# Altium PCB Lay-51943_B.brd.PcbDoc (part 6 of 8) (continued)
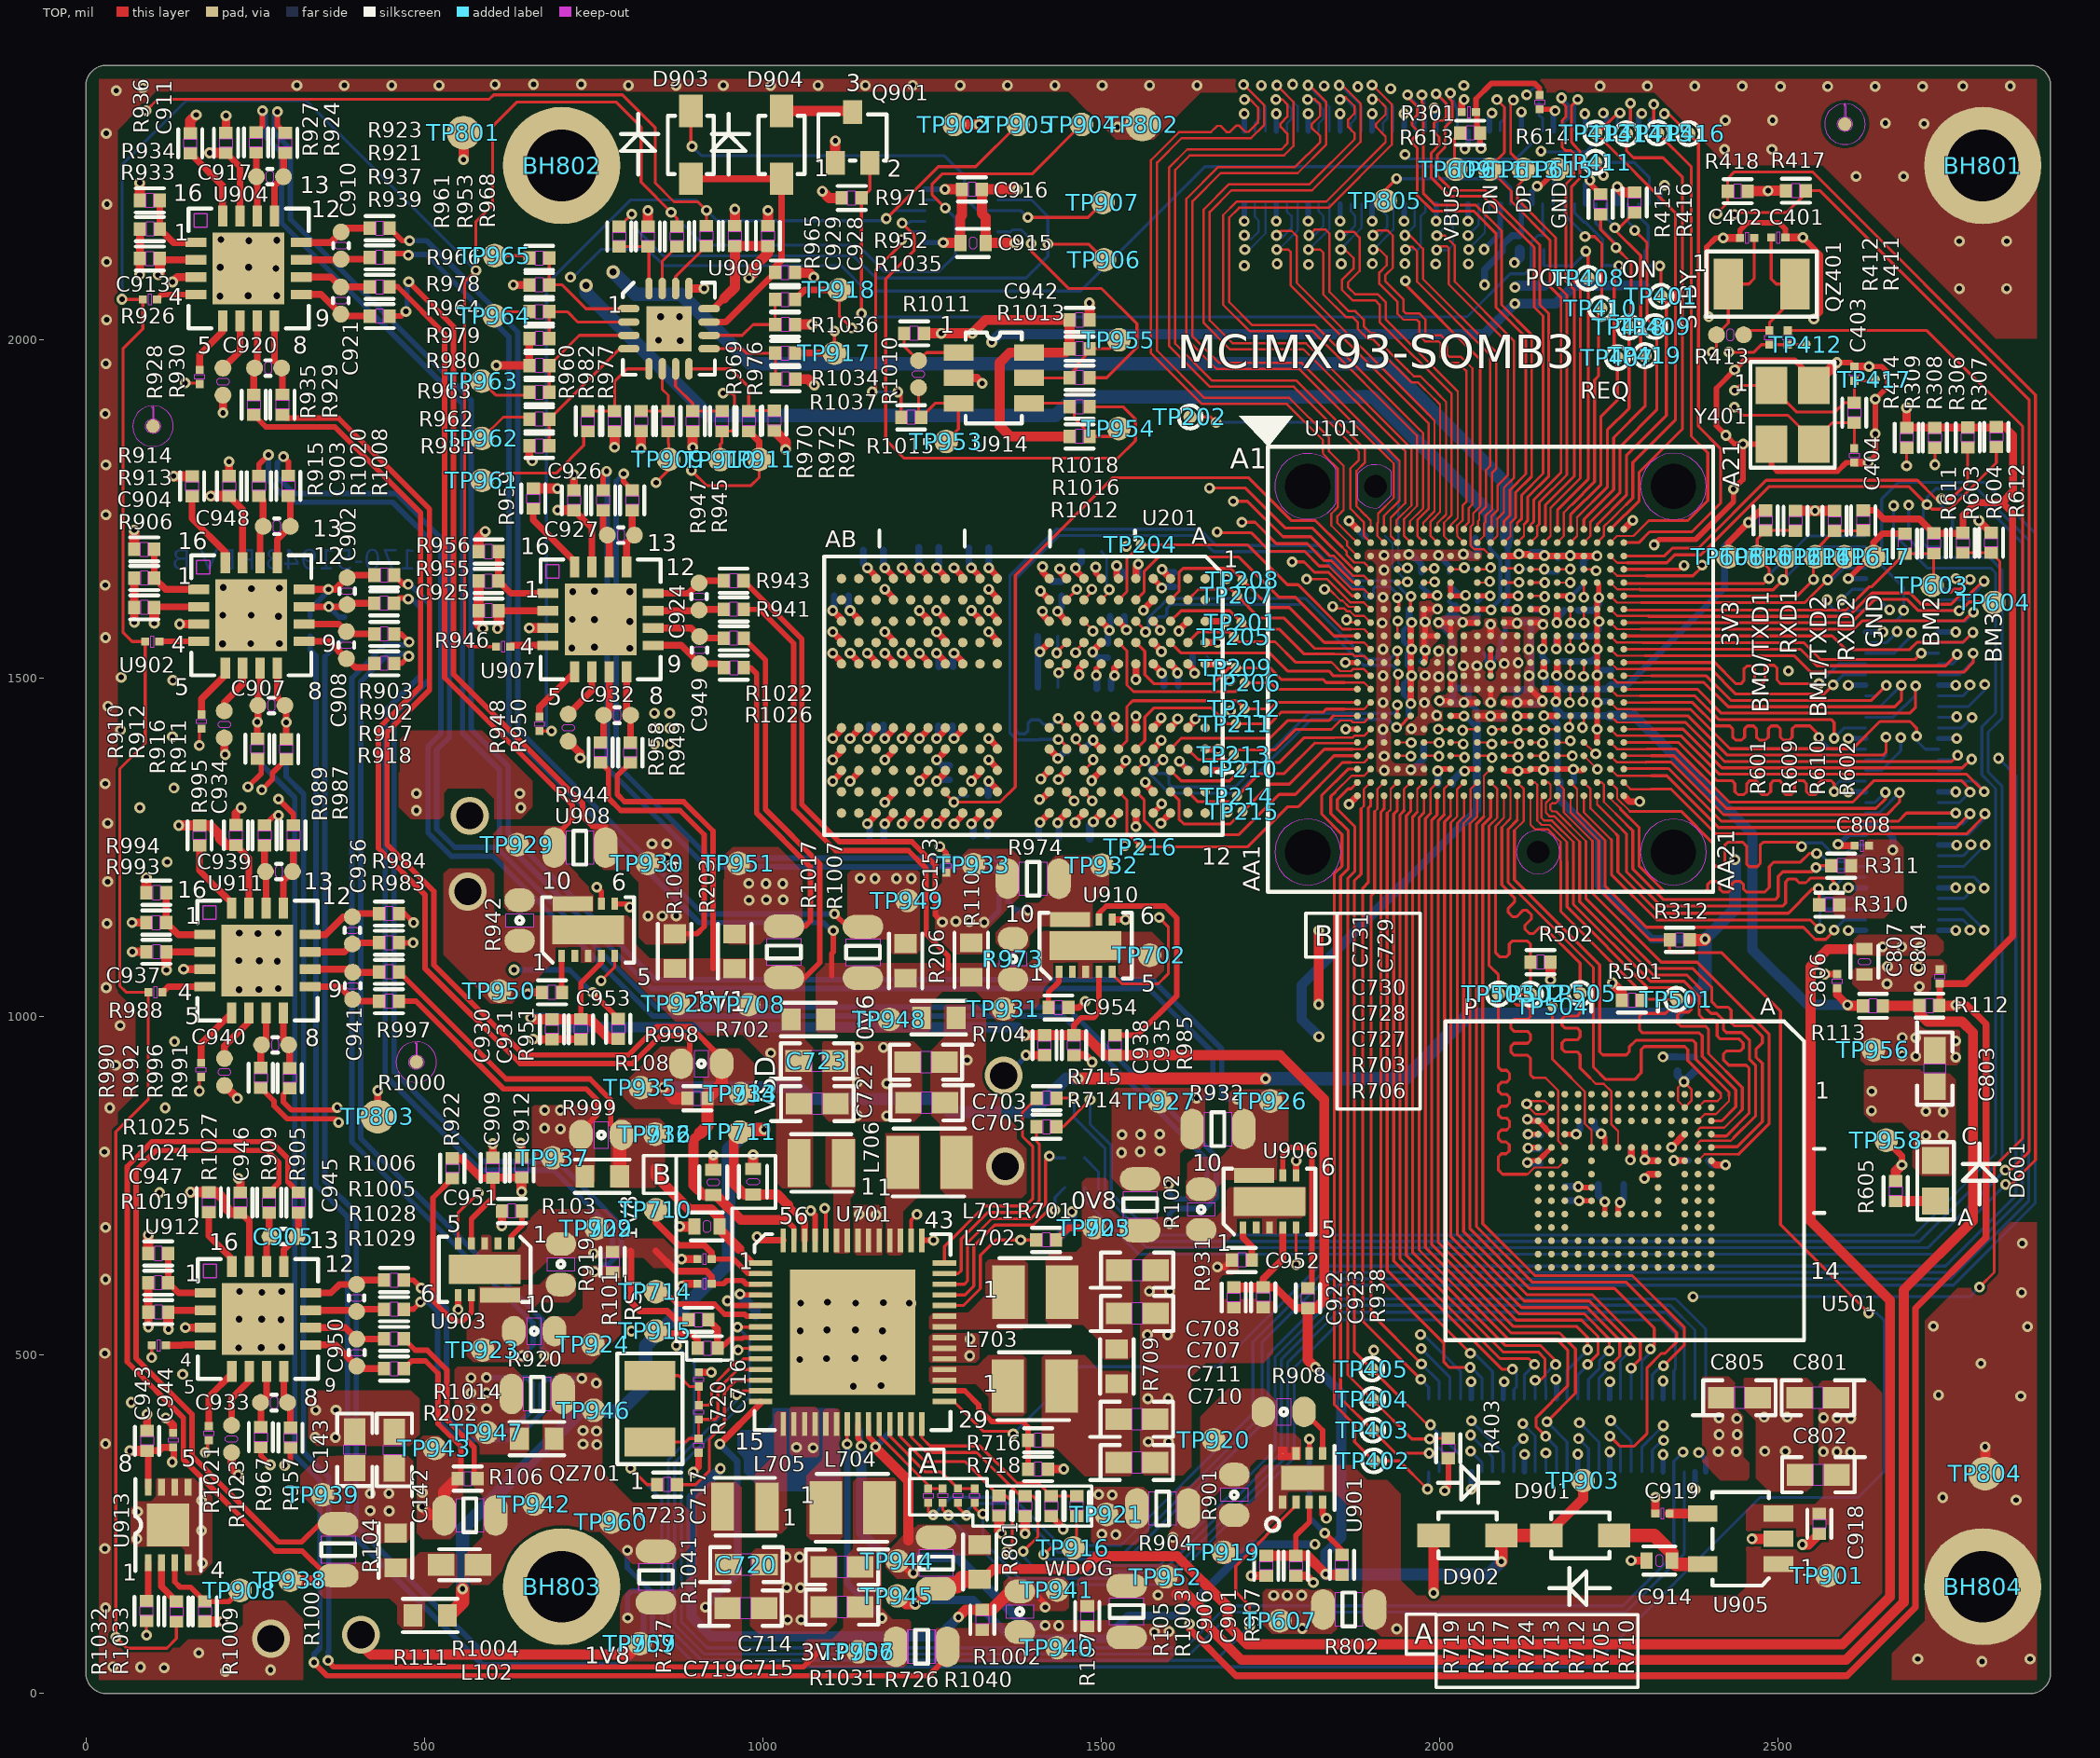
[diagram p0: TOP view]
## Nets (pads, with @x,y where several pads share a name; then routed paths per layer and width w, separated by ;. In a path a pad name is that pad's centre, name@x,y a point inside that pad or via, vN(x,y) a via of type N, cw(c..) or ccw(c..) an arc to the next point about the centre after c; other vN are vias at no path point) (continued)
  L3_INT_1 w3.6: v1(2115.15,1424.42) 2115.15,1424.22 2130.69,1408.68 2130.69,1338.95 2321.73,1147.91 2769.28,1147.91 2784.05,1133.14 v1(2784.05,1128.06)
  BOTTOM w4.4: J803.74@2737.55,1143.48 2773.82,1143.48 2784.05,1133.25 v1(2784.05,1128.06)
SYS_NRST: J802.77 R706.1 TP915.1 | length 3800.2
  TOP w4.4: v1(806.23,535.65) TP915.1@841.99,535.65
  TOP w10: TP915.1@841.99,535.65 845.39,532.25 893.9,532.25 903.9,522.25 R706.1@903.9,510.25
  L3_INT_1 w3.6: v1(715.99,2092.8) 715.99,2098.12 712.39,2101.72 599.67,2101.72 569.27,2071.32 569.27,1460.36 661.56,1368.07 661.56,1181.83 562.51,1082.78 562.51,712.2 739.06,535.65 v1(806.23,535.65)
  BOTTOM w4.4: v1(715.99,2092.8) 720.1,2092.8 761.1,2133.8 830.21,2133.8 853.99,2110.02 1115.69,2110.02 1153.27,2072.44 1469.85,2072.44 1653.75,2256.34 2154.04,2256.34 2160.14,2262.44 2288.12,2262.44 2310.18,2240.38 J802.77@2310.18,2201.2
TAMPER0: J802.61 TP410.1 U101.B16 | length 559.3
  TOP w3.2: U101.B16@2174.15,1700.65 2184,1710.5 2184,1745.08 2195.45,1756.53
  TOP w4.4: 2195.45,1756.53 2229.38,1790.46 2229.38,1941.05 2235.24,1946.91 2235.24,2043.56 TP410.1@2238.4,2046.72 2240.11,2048.43 2240.11,2142.28 2229.32,2153.07 v3(2215.24,2153.07)
  BOTTOM w4.4: J802.61@2184.19,2201.2 2184.19,2185.89 2215.24,2154.84 v3(2215.24,2153.07)
TAMPER1: J802.59 TP411.1 U101.F14 | length 823.8
  TOP w3.6: U101.F14@2134.78,1621.91 2154.71,1621.91 v1(2155.73,1620.89)
  TOP w4.4: TP411.1@2230.63,2262.7 2242.53,2250.8 v1(2242.53,2243.31)
  L3_INT_1 w3.6: v1(2155.73,1620.89) 2156.75,1621.91 2158.72,1621.91 2178.18,1641.37 2178.18,2143.53 2242.53,2207.88 v1(2242.53,2243.31)
  BOTTOM w4.4: J802.59@2168.45,2201.2 2168.45,2233.94 2187.39,2252.88 2232.96,2252.88 v1(2242.53,2243.31)
TEMP_NINT: R1009.2 TP908.1 U913.3 | length 143.7
  TOP w8: U913.3@131.33,193.51 131.33,165.12 139.14,157.31 154.86,157.31 R1009.2@175.91,136.26 176.21,135.96 211.3,135.96 TP908.1@227.74,152.4
UART1_RXD: J803.3 TP612.1 U101.E20 | length 443.7
  TOP w3.2: U101.E20@2252.89,1641.59 2262.82,1631.66 2296.08,1631.66
  TOP w4.4: 2296.08,1631.66 2296.91,1630.83 2493.06,1630.83 v1(2508.02,1645.79) 2512.61,1650.38 TP612.1@2512.61,1679.71
  BOTTOM w4.4: v1(2508.02,1645.79) 2556.89,1694.66 J803.3@2629.85,1694.66
UART1_TXD: J803.1 R601.2 R609.1 TP610.1 U101.E21 | length 517.7
  TOP w4.4: U101.E21@2272.57,1641.59 2273.93,1640.23 2479.7,1640.23 v1(2487.1,1647.63) 2487.1,1662.22 TP610.1@2469.61,1679.71 2469.61,1705.88 R601.2@2482.26,1718.53 2526.08,1718.53 R609.1@2526.37,1718.24
  BOTTOM w4.4: v1(2487.1,1647.63) 2487.1,1653.05 2544.46,1710.41 J803.1@2629.85,1710.41
UART2_RXD: J803.7 TP616.1 U101.F20 | length 446.4
  TOP w3.2: U101.F20@2252.89,1621.91 2262.77,1612.03 2298.29,1612.03
  TOP w4.4: 2298.29,1612.03 2540.11,1612.03 v1(2573.87,1645.79) 2598.61,1670.53 TP616.1@2598.61,1679.71
  BOTTOM w4.4: v1(2573.87,1645.79) 2580.77,1645.79 2598.14,1663.16 J803.7@2629.85,1663.16
UART2_TXD: J803.5 R602.2 R610.1 TP614.1 U101.F21 | length 517.6
  TOP w4.4: U101.F21@2272.57,1621.91 2273.05,1621.43 2528.01,1621.43 v1(2552.87,1646.29) 2552.87,1676.97 TP614.1@2555.61,1679.71 2555.61,1689.63 R610.1@2584.13,1718.15 2625.77,1718.15 R602.2@2626.38,1718.76
  BOTTOM w4.4: v1(2552.87,1646.29) 2552.87,1661.67 2570.11,1678.91 J803.5@2629.85,1678.91
USB1_DN: J802.50 TP611.1 U101.A14 | length 765
  TOP w4: v3(2085.06,2355.2) 2096.17,2344.09 2096.17,2277 2074.2,2255.03 TP611.1@2074.2,2252.3 2106.27,2220.23 2106.27,2204.88 2163.35,2147.8 2163.35,2079.26 2179.82,2062.79 2179.82,1804.31 2139.32,1763.81 2139.32,1731.59 2134.78,1727.05 U101.A14@2134.78,1720.33
  BOTTOM w4: v3(2085.06,2355.2) 2096.7,2343.56 2096.7,2327.91 2089.71,2320.92 J802.50@2089.71,2308.9
USB1_DP: J802.52 TP613.1 U101.B14 | length 766.7
  TOP w3.2: U101.B14@2134.78,1700.65 2144.55,1710.42 2144.55,1724.79
  TOP w4: v3(2109.29,2354.56) 2105.46,2350.73 2105.46,2276.2 2124.2,2257.46 TP613.1@2124.2,2252.3 2124.2,2236.82 2115.22,2227.84 2115.22,2207.96 2171.85,2151.33 2171.85,2082.79 2188.32,2066.32 2188.32,1800.78 2147.82,1760.28 2147.82,1728.06 2144.55,1724.79
  BOTTOM w4: J802.52@2105.45,2308.9 2105.45,2350.72 v3(2109.29,2354.56)
USB1_ID: J802.56 U101.C11 | length 898.4
  TOP w3.2: 2060.14,1756.53 2060.14,1754.1 2049.93,1743.89 2049.93,1728.02 2046.25,1724.34 2046.25,1696.05 2051.51,1690.79 2065.89,1690.79 U101.C11@2075.72,1680.96
  TOP w4.4: v1(1949.84,2087.59) 1949.84,2081.74 2060.14,1971.44 2060.14,1756.53
  L3_INT_1 w3.6: v1(1949.29,2274.2) 1967.86,2255.63 1967.86,2105.61 v1(1949.84,2087.59)
  BOTTOM w4.4: v1(1949.29,2274.2) 1956,2267.49 2113.23,2267.49 2136.95,2291.21 J802.56@2136.95,2308.9
USB1_RXN: J802.34 U101.A12 | length 837.4
  TOP w4: v3(1953.02,2362.21) 1953.02,2359.68 1967.54,2345.16 1967.54,2332.78 1959.68,2324.92 1959.68,2317.01 1967.18,2309.51 1967.18,2303.84 1960.1,2296.76 1960.1,2291.1 1967.54,2283.66 1967.54,2213.54 1990.38,2190.7 2050.66,2190.7 2083.47,2157.89 2083.47,2048.54 2127.85,2004.16 2127.85,1801.86 2104.32,1778.33 2104.32,1741.05 2095.41,1732.14 U101.A12@2095.41,1720.33
  BOTTOM w4: v3(1953.02,2362.21) 1968.89,2346.34 1968.89,2326.07 1963.72,2320.9 J802.34@1963.72,2308.9
USB1_RXP: J802.36 U101.B12 | length 836.8
  TOP w3: U101.B12@2095.41,1700.65 2105.07,1710.31 2105.07,1729.77
  TOP w4: v3(1974.15,2362.3) 1974.02,2362.17 1974.02,2350.68 1976.04,2348.66 1976.04,2217.07 1993.91,2199.2 2054.19,2199.2 2091.97,2161.42 2091.97,2052.07 2136.35,2007.69 2136.35,1798.33 2112.82,1774.8 2112.82,1737.52 2105.07,1729.77
  BOTTOM w4: v3(1974.15,2362.3) 1977.39,2359.06 1977.39,2330.85 1979.47,2328.77 J802.36@1979.47,2308.9
USB1_TXN: J802.40 U101.A13 | length 850.5
  TOP w4: v3(1995.2,2363.78) 1996.07,2363.78 2010.27,2349.58 2010.27,2328.47 2006.27,2324.47 1995.91,2324.47 1991.91,2320.47 1991.91,2307.97 1999.86,2300.02 1999.86,2288.19 1988.23,2276.56 1988.23,2239.65 2015.27,2212.61 2064.51,2212.61 2140.12,2137.02 2140.12,2048.66 2153.31,2035.47 2153.31,1802.56 2121.82,1771.07 2121.82,1736.32 2115.09,1729.59 U101.A13@2115.09,1720.33
  BOTTOM w4: v3(1995.2,2363.78) 2015.89,2343.08 2015.89,2325.98 2010.97,2321.06 J802.40@2010.97,2308.9
USB1_TXP: J802.42 U101.B13 | length 850.6
  TOP w3.2: U101.B13@2115.09,1700.65 2125,1710.56 2125,1727.47
  TOP w4: v3(2016.18,2364.89) 2014.42,2363.13 2014.42,2357.47 2018.77,2353.12 2018.77,2324.69 2008.36,2314.28 2008.36,2284.66 1996.73,2273.03 1996.73,2243.18 2018.8,2221.11 2068.04,2221.11 2148.62,2140.55 2148.62,2052.19 2161.81,2039 2161.81,1799.03 2130.32,1767.54 2130.32,1732.79 2125,1727.47
  BOTTOM w4: v3(2016.18,2364.89) 2016.09,2364.8 2023.09,2347.91 2026.71,2339.17 J802.42@2026.71,2308.9
USB1_TXRTUNE: R303.1 U101.D12 | length 43.1
  TOP w3.2: U101.D12@2095.41,1661.28 2096.89,1662.76 2115.54,1662.76 2116.24,1662.06 v1(2117.74,1662.06)
  BOTTOM w3.6: v1(2117.74,1662.06) 2118.21,1661.59 2132.25,1661.59 R303.1@2135.89,1665.23
USB1_VBUS: R613.1 TP609.1 | length 58.1
  TOP w4.4: TP609.1@2024.2,2252.3 2022.49,2254.01 2022.49,2297.71 R613.1@2030.93,2306.15
USB1_VBUS_3V3: J802.46 R301.2 R613.2 R614.1 | length 220.4
  TOP w8: v1(2061.75,2283.13) 2060.45,2284.43 R613.2@2060.45,2306.15 2060.45,2311.85 2055.37,2316.93 2055.37,2335.5 R301.2@2054.21,2336.66 2054.21,2356.58 2077.01,2379.38 2140.68,2379.38 2148.23,2371.83 R614.1@2148.23,2361.84
  BOTTOM w8: J802.46@2058.21,2308.9 2058.21,2286.67 v1(2061.75,2283.13)
USB2_DN: J802.62 U101.A15 | length 744.2
  TOP w4: U101.A15@2154.46,1720.33 2156.6,1722.47 2156.6,1756.26
  TOP w4.1: 2156.6,1756.26 2179.73,1779.39 2199.74,1799.39 2199.74,2074.04 2186.94,2086.84 2186.94,2230.25 2198.83,2242.14 2198.83,2275.86 2194.73,2279.96 2187.19,2279.96 2186.85,2279.62 2181.49,2284.98 2181.49,2293.83 2186.94,2299.28 2186.94,2310.79 2181.49,2316.24 2181.49,2324.34 2186.94,2329.79 2186.94,2345.39 2180.5,2351.83 v3(2180.5,2357.89)
  BOTTOM w4: v3(2180.5,2357.89) 2190.74,2347.65 2190.74,2327.81 2184.19,2321.26 J802.62@2184.19,2308.9
USB2_DP: J802.64 U101.B15 | length 744.1
  TOP w3: U101.B15@2154.46,1700.65 2164.27,1710.46 2164.27,1751.75 2165.7,1753.18
  TOP w4.1: 2165.7,1753.18 2208.34,1795.82 2208.34,2077.61 2195.54,2090.41 2195.54,2226.68 2207.43,2238.57 2207.43,2279.43 2198.3,2288.56 2198.3,2289.31 2195.54,2292.07 2195.54,2346.46 v3(2204.41,2355.33)
  BOTTOM w4: J802.64@2199.94,2308.9 2199.94,2350.86 v3(2204.41,2355.33)
USB2_ID: J802.68 U101.E12 | length 803.6
  TOP w3.6: U101.E12@2095.41,1641.59 2114.76,1641.59 2115.23,1642.06 v1(2117.65,1642.06)
  L3_INT_1 w3.6: v1(2117.65,1642.06) 2117.89,1642.3 2120.89,1642.3 2134.15,1655.56 2134.15,1841.55 2159.01,1866.41 2159.01,2187.78 2128.85,2217.94 2128.85,2257.79 v1(2150.21,2279.15)
  BOTTOM w4.4: v1(2150.21,2279.15) 2151.42,2277.94 2216.26,2277.94 2231.44,2293.12 J802.68@2231.44,2308.9
USB2_TXRTUNE: R305.1 U101.D14 | length 43
  TOP w3.2: U101.D14@2134.78,1661.28 2154.91,1661.28 v1(2154.91,1661.59)
  BOTTOM w6: v1(2154.91,1661.59) 2160.23,1656.27 R305.1@2175.22,1656.27
USB2_VBUS_3V3: J802.58 R304.2 | length 44.6
  BOTTOM w4.4: R304.2@2146.92,2351.07 2146.92,2332.87 2152.7,2327.09 J802.58@2152.7,2308.9
VBUS1_DET_3V3: R301.1 U101.F12 | length 846.5
  TOP w8: U101.F12@2095.41,1621.91 2116.08,1621.91 v1(2116.27,1622.1)
  TOP w10: R301.1@2033.19,2336.66 2033.19,2351.73 v1(2036.63,2355.17)
  L3_INT_1 w8: v1(2036.63,2355.17) 2036.21,2354.75 2036.21,2332.95 2084.85,2284.31 2084.85,2233.24 2145.43,2172.66 2145.43,2023.61 2098.13,1976.31 2098.13,1640.24 v1(2116.27,1622.1)
VBUS2_DET_3V3: R304.1 U101.E14 | length 787.2
  TOP w3.6: U101.E14@2134.78,1641.59 v1(2155.67,1641.6)
  L3_INT_1 w3.6: v1(2129.05,2362.38) 2131.81,2362.38 2147.67,2346.52 2147.67,2308.46 2168.89,2287.24 2168.89,1654.77 2155.72,1641.6 v1(2155.67,1641.6)
  BOTTOM w4.4: v1(2129.05,2362.38) 2138.76,2372.09 R304.1@2146.92,2372.09
VDD2_DDR: C136.1 C137.1 C138.1 C139.1 C140.1 C141.1 C156.1 R109.1 R939.1 R944.2 R958.1 TP930.1 U101.L7 U101.N6 U101.N7 U101.R6 U101.T6 | length 1414.2
  TOP w8: R939.1@448.76,2035.5 466.12,2035.5 v1(472.9,2042.28) ; v1(477.09,2086.21) 543.21,2020.09 543.21,1506.41 734.04,1315.58 734.04,1296.14 748.54,1281.64 767.98,1281.64 ; R958.1@760.66,1375.84 772.18,1364.32 772.18,1323.01 790.4,1304.79 877.95,1304.79 913.57,1269.17 913.57,1133.3 902.94,1122.67 R109.1@870,1122.67
  BOTTOM w8: v1(472.9,2042.28) 474.77,2044.15 474.77,2083.88 v1(477.09,2086.21)
  other v1: 830.72,1149.01 851.76,1149.01 872.31,1149.07 858.65,1234.81 836.56,1255.59 858.39,1255.59 1958.78,1425.75 1996.13,1445.35 1977.98,1464.06 1998.94,1502.49 1979.01,1504.23 1998.92,1540.31
VDD_1P8: C719.1 C720.1 L705.2 R727.1 R1041.1 R1044.1 TP707.1 TP959.1 U701.14 | length 2777.3
  TOP w10: v1(936.91,368.79) 997.03,428.91 U701.14@997.03,431.59
  TOP w15: v4(406.46,86.96) 406.46,72.5 421.46,57.5 802.63,57.5 TP707.1@818.72,73.59
  BOTTOM w8: R1044.1@382,1561 353.18,1532.18 353.18,756.51 399.59,710.1 399.59,247.3 590.99,55.9 788.61,55.9 824.13,91.42 824.13,143.59 816.13,151.59 806.62,151.59 800.4,145.37 800.4,112.17 v1(800.71,111.86)
  BOTTOM w10: v1(915.33,127.82) 962.6,175.09 962.6,343.1 v1(936.91,368.79)
VDD_1V8: C504.1 C505.1 C506.1 C507.1 C805.1 J801.19 J801.20 J801.21 J801.22 J801.23 J801.24 J801.25 J801.26 L102.1 R106.2 R202.1 R501.1 R502.1 R712.1 R713.1 R727.2 R1004.1 R1005.1 R1014.1 R1028.1 R1041.2 R1045.1 TP942.1 TP946.1 TP960.1 U501.C6 U501.M4 U501.N4 U501.P3 U501.P5 | length 3596.9
  TOP w8: R1028.1@470.17,523.95 486.75,507.37 504.43,507.37 533.59,478.21 533.59,403.96 573.84,363.71 573.84,322.63 R106.2@578.85,317.62 ; R1005.1@470.17,567.95 483.87,567.95 v1(494.37,578.45) ; v1(2130.03,848.73) 2132.52,846.24 U501.P3@2146.04,846.24 2156.53,835.75 2156.53,835.25 2165.22,826.56 U501.N4@2165.72,826.56 ; v1(2131.05,806.16) 2131.76,806.87 U501.P5@2146.04,806.87 ; U501.M4@2185.41,826.56 v1(2202.1,826.56)
  TOP w10: v1(2346.33,787.6) 2362.16,787.6 U501.C6@2362.57,787.19
  TOP w15: R713.1@1349.44,262.76 1349.44,239.92 v1(1352.86,236.5) ; v1(1387.83,236.5) R712.1@1387.83,262.5 ; v1(2164.22,1054.48) R502.1@2164.22,1080.83 ; v1(2255.53,1049.96) 2269.66,1035.83 R501.1@2269.66,1024.33
  L3_INT_1 w15: 958.95,351.14 986.39,323.7 1316.5,323.7 1352.86,287.34 v1(1352.86,236.5) v1(1387.83,236.5)
  BOTTOM w8: R1045.1@331.33,1562.69 331.33,1542.15 340.18,1533.3 340.18,751.12 386.59,704.71 386.59,241.91 585.6,42.9 794,42.9 837.13,86.03 837.13,148.99 800.2,185.92 v1(800.2,211.48) ; v1(494.37,578.45) 505.27,578.45 519.96,563.76 519.96,404.02 549.01,374.97 633.98,374.97 672.62,413.61 672.62,456.76 680.63,464.77 731.76,464.77 v1(732.66,465.67)
  BOTTOM w10: v1(2130.03,848.73) 2132.09,846.67 C505.1@2149.42,846.67 ; v1(2131.05,806.16) 2132.17,805.04 C506.1@2149.11,805.04 ; v1(2202.1,826.56) 2207.8,832.26 C507.1@2207.8,845.33 ; v1(2346.33,787.6) C504.1@2367.65,787.6
  other v1: 2412.24,357.59 2438.8,357.59 755.13,367.74 734.59,368.64 2413.42,382.76 2439.98,382.76 754.65,387.74 734.66,388.64 2439.59,406.24 2413.29,407.56 754.27,458.57
VDD_3P3: C714.1 C715.1 L704.2 R726.1 R1040.1 R1042.1 TP706.1 TP957.1 U701.21 | length 2403.3
  TOP w5: v1(1124.99,368.62) U701.21@1124.99,398.12
  TOP w8: v1(357.88,48.83) 357.88,47.4 365.88,39.4 1060.37,39.4 1065.22,44.25 1083.48,62.51
  BOTTOM w8: R1042.1@296.1,1377.61 296.1,1354.99 321.74,1329.35 321.74,357 358.96,319.78 358.96,62.83 357.88,61.75 v1(357.88,48.83)
  BOTTOM w10: v1(1124.99,368.62) 1124.99,162.71 v1(1176.37,111.33)
VDD_3V3: C501.1 C502.1 C503.1 C724.2 C803.1 J803.91 J803.92 J803.93 J803.94 J803.95 J803.96 J803.97 J803.98 J803.99 J803.100 R105.1 R107.2 R605.1 R726.2 R987.1 R991.1 R1002.1 R1003.1 R1040.2 R1043.1 TP940.1 TP956.1 TP958.1 U501.E6 U501.F5 U501.J10 U501.K9 U701.22 | length 7463.4
  TOP w8: v1(284.61,1321.7) 306.63,1299.68 R987.1@306.63,1283.07 ; R991.1@301.15,894.5 291.93,885.28 291.93,873.96 303.62,862.27 367.79,862.27 v1(371.48,865.96) ; v1(337.07,45.99) 337.07,45.58 356.25,26.4 1245.11,26.4 1272.53,53.82 1272.53,55.64 R1040.2@1272.53,69.2 ; U701.22@1140.73,398.12 1140.73,377.56 1143.35,374.94 1143.35,368.38 v1(1145.82,365.91) ; v1(2206.47,728.13) U501.K9@2224.78,728.13 ; U501.J10@2244.46,708.45 v1(2244.46,726.83)
  TOP w10: U501.F5@2303.52,806.87 v1(2303.52,788.71) 2305.04,787.19 U501.E6@2323.2,787.19 ; TP958.1@2660.19,817.66 2683.54,794.31 v1(2683.54,781.08)
  TOP w15: R605.1@2674.32,757.1 2674.32,771.86 v1(2683.54,781.08)
  L3_INT_1 w8: v1(284.61,1321.7) 284.53,1321.7 267.57,1304.74 267.57,1288.8 317.71,1238.66 317.71,1047.02 242.54,971.85 242.54,687.04 308.73,620.85 308.73,448.4 242.54,382.21 242.54,264.88 297.37,210.05 431.78,210.05 591.83,50 817.92,50 832.79,64.87 1454.17,64.87 1504,114.7 1571.06,114.7 1579.06,106.7 v1(1579.06,90.96) ; v1(371.48,865.96) 356.53,851.01 356.53,739.79 413.19,683.13 413.19,464.5 592.66,285.03 773.55,285.03 792.65,265.93 1168.22,265.93 1322.87,111.28 1407.08,111.28 v1(1417.6,100.76)
  BOTTOM w8: R1043.1@253.62,1379.08 308.74,1323.96 308.74,351.61 345.96,314.39 345.96,66.94 337.07,58.05 v1(337.07,45.99)
  BOTTOM w10: C724.2@1143.54,388.26 1143.54,368.19 v1(1145.82,365.91) ; C503.1@2186,728.27 2206.33,728.27 v1(2206.47,728.13) ; C501.1@2235.03,752.27 2235.03,736.26 v1(2244.46,726.83) ; v1(2303.52,788.71) 2304.26,789.45 C502.1@2304.26,806.33
  BOTTOM w15: v1(1145.82,365.91) 1145.82,237.4 1181.89,201.33 1287.56,201.33 1388.13,100.76 v1(1417.6,100.76)
  other v1: 1600.57,91.7 1437.6,100.39 2763.05,940.33 2704.1,941.75 2684.11,942.43 2762.89,964.28 2684.1,969.3 2704.1,969.18
VDD_ANA_0P8: C130.1 C131.1 C132.1 C134.1 C135.1 R103.2 R999.2 R1000.1 TP937.1 U101.F10 U101.G8 U101.J15 U101.J16 U101.R14 | length 608.9
  TOP w8: R1000.1@462.7,1023.02 487.7,1023.02 617.26,893.46 739.59,893.46 755.71,877.34 755.71,855.13 R999.2@739.35,838.77 ; U101.G8@2016.66,1602.22 2037.26,1602.22 v1(2037.71,1602.67) ; U101.F10@2056.03,1621.91 v1(2075.13,1621.91) ; v1(2115.15,1444.42) 2115.47,1444.74 U101.R14@2134.78,1444.74 ; v1(2152.48,1543.73) 2152.48,1544.91 2154.46,1546.89 U101.J15@2154.46,1562.85
  TOP w10: v1(2172.7,1543.39) 2174.15,1544.84 U101.J16@2174.15,1562.85
  BOTTOM w6: C132.1@2014.48,1613.66 2018.56,1609.58 2024.54,1609.58 2031.25,1602.87 2037.51,1602.87 v1(2037.71,1602.67)
  BOTTOM w8: C134.1@2056.4,1613.95 2064.36,1621.91 v1(2075.13,1621.91) ; v1(2115.15,1444.42) 2129.81,1444.42 C131.1@2133.27,1440.96
  BOTTOM w10: v1(2152.48,1543.73) 2152.48,1531.41 C135.1@2158.83,1525.06 ; C130.1@2171.79,1562.5 2172.7,1561.59 v1(2172.7,1543.39)
  other v1: 701.29,834.31 677.73,835.27 678.05,862.06 700.96,862.06
VDD_ANA_0V8: C730.1 R103.1 R997.1 R999.1 TP712.1 TP936.1 U701.1 | length 741.9
  TOP w8: R997.1@462.7,1066.42 620.93,908.19 744.84,908.19 775.69,877.34 775.69,841.45 R999.1@791.69,825.45 ; 965.36,657.15 986.2,636.31 U701.1@997.03,636.31
  TOP w15: 841.99,776.36 841.99,764.75 891.6,715.14 924.22,715.14 936.33,703.03 C730.1@936.33,690.12 936.33,686.18 965.36,657.15
  TOP w20: R103.1@788.6,764.38 788.6,822.36 R999.1@791.69,825.45
VDD_ANA_1P8: C142.1 C143.1 C144.1 C145.1 C146.1 C147.1 C148.1 C149.1 R104.2 R909.1 R1001.2 TP939.1 U101.E8 U101.F6 U101.F8 U101.F16 U101.G16 U101.L15 U101.R8 | length 2764.4
  TOP w8: R909.1@270.71,740.4 285.25,754.94 285.25,784.95 267.74,802.46 103.6,802.46 74.18,773.04 74.18,495.49 156.99,412.68 156.99,351.44 284.57,223.86 318.77,223.86 345.51,250.6 R1001.2@372.96,250.6 ; U101.F6@1977.29,1621.91 1996.2,1621.91 v1(1996.83,1622.54) ; U101.R8@2016.66,1444.74 2036.04,1444.74 v1(2036.36,1444.42) ; U101.E8@2016.66,1641.59 U101.F8@2016.66,1621.91 2037.76,1621.91 v1(2038.77,1622.92) ; U101.F16@2174.15,1621.91 2191.59,1621.91 v1(2193.52,1619.98)
  TOP w10: v1(2153.24,1505.63) 2154.46,1506.85 U101.L15@2154.46,1523.48 ; v1(2173.52,1582.43) 2174.15,1583.06 U101.G16@2174.15,1602.22
  L3_INT_1 w12: v1(2153.24,1505.63) 2153.24,1509.66 2165.24,1521.66 2505.43,1521.66 v1(2515.92,1511.17)
  L3_INT_1 w15: v1(1821.98,970.69) 1821.98,588.51 v1(1903.17,507.32)
  BOTTOM w6: v1(2193.52,1619.98) 2212.7,1639.16 C149.1@2212.84,1639.16
  BOTTOM w8: C144.1@1973.42,1636.09 1986.97,1622.54 v1(1996.83,1622.54) ; C147.1@2014.48,1636.58 2016.83,1636.58 2030.49,1622.92 v1(2038.77,1622.92) ; v1(2036.36,1444.42) 2037.58,1444.42 2049.85,1432.15 C146.1@2055.51,1432.15
  BOTTOM w10: v1(2153.24,1505.63) 2157.12,1501.75 C145.1@2157.12,1485.9 ; v1(2173.52,1582.43) 2173.52,1589.8 C148.1@2184.43,1600.71
  BOTTOM w12: 1946.77,1196.97 2055.51,1305.71 C146.1@2055.51,1432.15
  BOTTOM w15: v1(1821.98,970.69) 1796.29,996.38 1796.29,1046.49 1946.77,1196.97
  other v1: 420.07,270.09 448.21,269.82 420.28,295.53 447.68,295.86
VDD_ANA_1V8: L102.2 R104.1 R111.2 R905.1 R1001.1 TP938.1 | length 1160.9
  TOP w8: R905.1@314.31,740.2 298.25,756.26 298.25,790.89 273.68,815.46 98,815.46 61.18,778.64 61.18,490.09 143.99,407.28 143.99,346.05 279.33,210.71 319.82,210.71 355.93,174.6 R1001.1@372.96,174.6
  TOP w15: TP938.1@301.72,167.39 365.75,167.39 R1001.1@372.96,174.6
VDD_SNVS_0V8: C102.1 U101.G14 | length 42.5
  TOP w8: U101.G14@2134.78,1602.22 2151.32,1602.22 2151.94,1601.6 2154.16,1601.6 v1(2155.37,1600.39)
  BOTTOM w10: C102.1@2135.81,1604.34 2138.55,1601.6 2154.16,1601.6 v1(2155.37,1600.39)
VDD_SOC: C106.1 C107.1 C108.1 C109.1 C110.1 C111.1 C114.1 C124.1 R102.2 R711.2 R927.1 R932.2 R1020.1 TP927.1 U101.J9 U101.J10 U101.J11 U101.J12 U101.J13 U101.K9 U101.K10 U101.K12 U101.K13 U101.M9 U101.M10 U101.M12 U101.M13 U101.N9 U101.N10 U101.N11 U101.N12 U101.N13 | length 7024.2
  TOP w8: R927.1@251.46,2306.61 260.9,2316.05 v1(260.9,2338.94) ; R1020.1@255.64,1798.97 255.64,1816.08 v1(269.85,1830.29) ; v1(2075.72,1464.42) U101.N11@2075.72,1484.11
  TOP w10: U101.J11@2075.72,1562.85 v1(2075.72,1579.79)
  L4_PWR w8: v1(1457.21,711.98) 1457.21,669.24 1514.63,611.82 2228.47,611.82 2480.15,863.5 2480.15,1547.85 2438.36,1589.64 2268.56,1589.64 2262.82,1583.9 2262.82,1563.39
  BOTTOM w8: v1(260.9,2338.94) 265.26,2334.58 265.26,2300.63 288.97,2276.92 288.97,2173.27 556.49,1905.75 556.49,1419.59 611.1,1364.98 611.1,1266.51 835.92,1041.69 1570.77,1041.69 1665.36,947.1 1665.36,888.12 1657.04,879.8 v1(1641.16,879.8) ; v1(269.85,1830.29) 269.85,1792.43 301.95,1760.33 453.23,1760.33 524.43,1689.13 524.43,1418.87 505.54,1399.98 505.54,1271.95 539.98,1237.51 601.28,1237.51 837.49,1001.3 1443.98,1001.3 1656.31,788.97 1656.31,738.83 1648.31,730.83 1609.44,730.83 1600.01,740.26 v1(1600.01,752.4)
  BOTTOM w15: R711.2@1433.54,670.77 1457.21,694.44 v1(1457.21,711.98)
  other v1: 1530.32,799.41 1558.07,800.7 1587.12,801.67 1530.97,825.87 1558.4,826.19 1586.8,826.52 2035.44,1518.78 2055.54,1518.8 2096,1521.88 2116.69,1523.23
VDD_SOC_0V8: C707.1 C708.1 L702.2 R102.1 R701.1 R709.1 R931.1 R1008.1 TP703.1 TP925.1 U906.3 U906.11 | length 2357.1
  TOP w8: v1(291.94,1827.66) 299.34,1820.26 R1008.1@299.34,1799.39
  TOP w10: R701.1@1433.81,670.32 1451.78,688.29 TP703.1@1489.75,688.29
  BOTTOM w8: v1(291.94,1827.66) 282.85,1818.57 282.85,1797.82 307.34,1773.33 458.63,1773.33 537.43,1694.53 537.43,1413.48 518.54,1394.59 518.54,1277.35 545.38,1250.51 606.67,1250.51 842.88,1014.3 1449.38,1014.3 1670.52,793.16 1670.52,732.94 1654.2,716.62 1609.06,716.62 1601.06,708.62 v1(1601.06,694.54)
VDD_USB_3P3: C155.1 R105.2 R996.1 R1002.2 TP941.1 U101.G10 | length 6532.9
  TOP w8: R996.1@258.45,895.02 278.06,875.41 278.06,868.51 297.3,849.27 368.22,849.27 v1(373.53,843.96) ; R1002.2@1379.96,151 1399.44,151 1417.6,132.84 v1(1417.6,127.59) ; U101.G10@2056.03,1602.22 2075.37,1602.22 v1(2076.31,1601.28)
  TOP w15: v1(1289.28,112.88) 1300.08,123.68 R105.2@1324.73,123.68
  TOP w18: R105.2@1324.73,123.68 1338.45,123.68 1365.77,151 R1002.2@1379.96,151
  L3_INT_1 w8: v1(373.53,843.96) 369.53,839.96 369.53,745.18 426.19,688.52 426.19,469.89 598.05,298.03 778.95,298.03 798.05,278.93 1173.61,278.93 1328.26,124.28 1398.29,124.28 1401.6,127.59 v1(1417.6,127.59)
  L3_INT_1 w20: v2(739.18,2080.8) 739.19,2109.1 719.19,2129.1 570.03,2129.1 550.03,2109.1 550.03,1453.78 617.21,1386.6 617.21,1161.25 545.71,1089.75 545.71,699.51 703.2,542.02 703.2,367.5 726.05,344.65 783.82,344.65 803.83,364.66 908.51,364.66 937.6,335.57 v1(937.6,332.41)
  BOTTOM w6: C155.1@2074.23,1707.32 2074.23,1692.13 2090.23,1676.13 2090.23,1617.2 2076.31,1603.28 v1(2076.31,1601.28)
  BOTTOM w12: C155.1@2074.23,1707.32 2074.23,1726.99 2074.56,1727.32
  BOTTOM w15: v1(937.6,332.41) 894.83,289.64 894.83,113.31 923.82,84.32 1260.72,84.32 v1(1289.28,112.88)
  BOTTOM w20: v2(739.18,2080.8) 739.18,2069.43 920.3,1888.31 1432.89,1888.31 1460.55,1915.97 1901.59,1915.97 2074.56,1743 2074.56,1727.32
VDDQ_DDR: C151.1 C152.1 C153.1 C154.1 R110.1 R943.1 R947.1 R974.2 TP933.1 U101.G6 U101.J6 U101.J7 U101.L6 | length 2086.5
  TOP w8: R947.1@764.32,1778.14 764.32,1800.87 v1(769.44,1805.99) ; R943.1@971.88,1644.37 1058,1558.25 1058,1313.84 1096.56,1275.28 1113.33,1258.51 1220.67,1258.51 1255.22,1223.96 1255.22,1150.22 v1(1265.62,1139.82) ; U101.L6@1977.29,1523.48 1978.97,1525.16 v1(1978.97,1541.78) 1977.29,1543.46 U101.J6@1977.29,1562.85 ; U101.J7@1996.98,1562.85 U101.J6@1977.29,1562.85 ; v1(1997.1,1602.46) 1996.86,1602.22 U101.G6@1977.29,1602.22 1977.29,1585.27 v1(1978.99,1583.57) 1978.99,1564.55 U101.J6@1977.29,1562.85
  BOTTOM w8: v1(769.44,1805.99) 770.36,1805.07 770.36,1367.67 916.33,1221.7 1337.13,1221.7 1349.24,1209.59 1349.24,1156.51 1332.28,1139.55 v1(1327.43,1139.55)
  BOTTOM w10: C154.1@1973.96,1525.06 1978.97,1530.07 v1(1978.97,1541.78) 1978.97,1560.4 C151.1@1976.61,1562.76 ; C152.1@1976.3,1602.08 1976.3,1586.26 v1(1978.99,1583.57) ; C152.1@1976.3,1602.08 1996.71,1602.07 v1(1997.1,1602.46)
  other v1: 1305.6,1140.6 1285.6,1140.88
VINT: C706.1 U701.4 | length 71.7
  TOP w8: v1(966.59,590.32) 967.84,589.07 U701.4@997.03,589.07
  BOTTOM w15: v1(966.59,590.32) 966.59,589.53 989.84,566.28 C706.1@989.84,559.22
VLDO3_1V8: C729.1 R111.1 TP711.1 U701.54 | length 1233.8
  TOP w10: 1037.38,721.89 1061.99,697.28 U701.54@1061.99,669.78
  TOP w15: TP711.1@966.02,829.69 957.41,821.08 957.41,753.38 973.18,737.61 C729.1@985.94,737.61 1021.66,737.61 1037.38,721.89
  TOP w20: R111.1@534.33,115.37 536.62,115.37 556.62,135.37 v1(556.62,154.6) ; TP711.1@966.02,829.69 969.82,833.49 v1(1002.05,833.49)
  BOTTOM w20: v1(556.62,154.6) 556.62,243.14 730.89,417.41 789.2,417.41 827.41,455.62 827.41,513.93 950.09,636.61 950.09,804.77 978.81,833.49 v1(1002.05,833.49)
VLS_3V3: C901.1 C906.1 C909.1 C912.1 C922.1 C923.1 C930.1 C931.1 C935.1 C938.1 D901.C D902.C R907.1 R922.1 R938.1 R951.1 R985.1 TP903.1 U901.3 U903.4 U906.4 U908.4 U910.4 | length 3776.1
  TOP w8: U903.4@569.64,665.21 569.64,701.3 601.27,732.93 C909.1@601.27,761.95 ; C931.1@731.53,996.41 731.53,1049.93 761.87,1080.27 U908.4@761.87,1090.06 ; C935.1@1459.98,972.75 1459.98,987.88 1470.93,998.83 1489,998.83 1497,1006.83 U910.4@1497,1066.76 ; C901.1@1788.03,203.67 1788.03,233.57 1807.82,253.36 U901.3@1807.82,283.03
  TOP w10: C923.1@1739.74,600.41 1739.74,612.98 1768.71,641.95 U906.4@1768.71,688.66
  TOP w12: R922.1@541.55,790.79 555.01,790.79 583.85,761.95 C909.1@601.27,761.95 601.91,762.59 C912.1@643.87,762.59 ; C923.1@1739.74,600.41 1757.2,600.41 1788.02,569.59 R938.1@1805.72,569.59
  TOP w15: v1(643.87,741.59) C912.1@643.87,762.59 ; v1(657.41,998.57) 659.61,996.37 C930.1@688.75,996.37 688.79,996.41 C931.1@731.53,996.41 744.76,996.41 773.72,967.45 R951.1@786.73,967.45 ; v1(1387.62,972.9) 1416.37,972.9 C938.1@1416.48,972.79 1416.52,972.75 C935.1@1459.98,972.75 1476.02,972.75 1505.4,943.37 R985.1@1520.56,943.37 1764.62,943.37 1830,877.99 1830,581.54 1818.05,569.59 R938.1@1805.72,569.59 1805.72,493.02 v1(1816.72,482.02) ; C922.1@1696.14,599.97 1739.3,599.97 C923.1@1739.74,600.41 ; C906.1@1744.22,203.54 1787.9,203.54 C901.1@1788.03,203.67 1804.67,203.67 v1(1831.96,176.38) 1832.84,175.5 R907.1@1855.97,175.5 ; D901.C@2158.29,233.69 2212.24,287.64 TP903.1@2212.24,314.69
  TOP w18: v1(2091.65,195.15) D902.C@2091.65,233.67
  TOP w20: D902.C@2091.65,233.67 D901.C@2158.27,233.67
  L3_INT_1 w15: v1(643.87,741.59) 621.77,763.69 621.77,962.93 v1(657.41,998.57)
  BOTTOM w15: v1(657.41,998.57) 699.48,998.57 713.25,984.8 1375.72,984.8 v1(1387.62,972.9) ; v1(1816.72,482.02) 1855.35,443.39 1855.35,231.05 1831.93,207.63 v1(1831.96,176.38)
  BOTTOM w18: v1(1831.96,176.38) 2072.88,176.38 v1(2091.65,195.15)